# Altium PCB 2-quilter-output.PcbDoc (part 13 of 26) (continued)
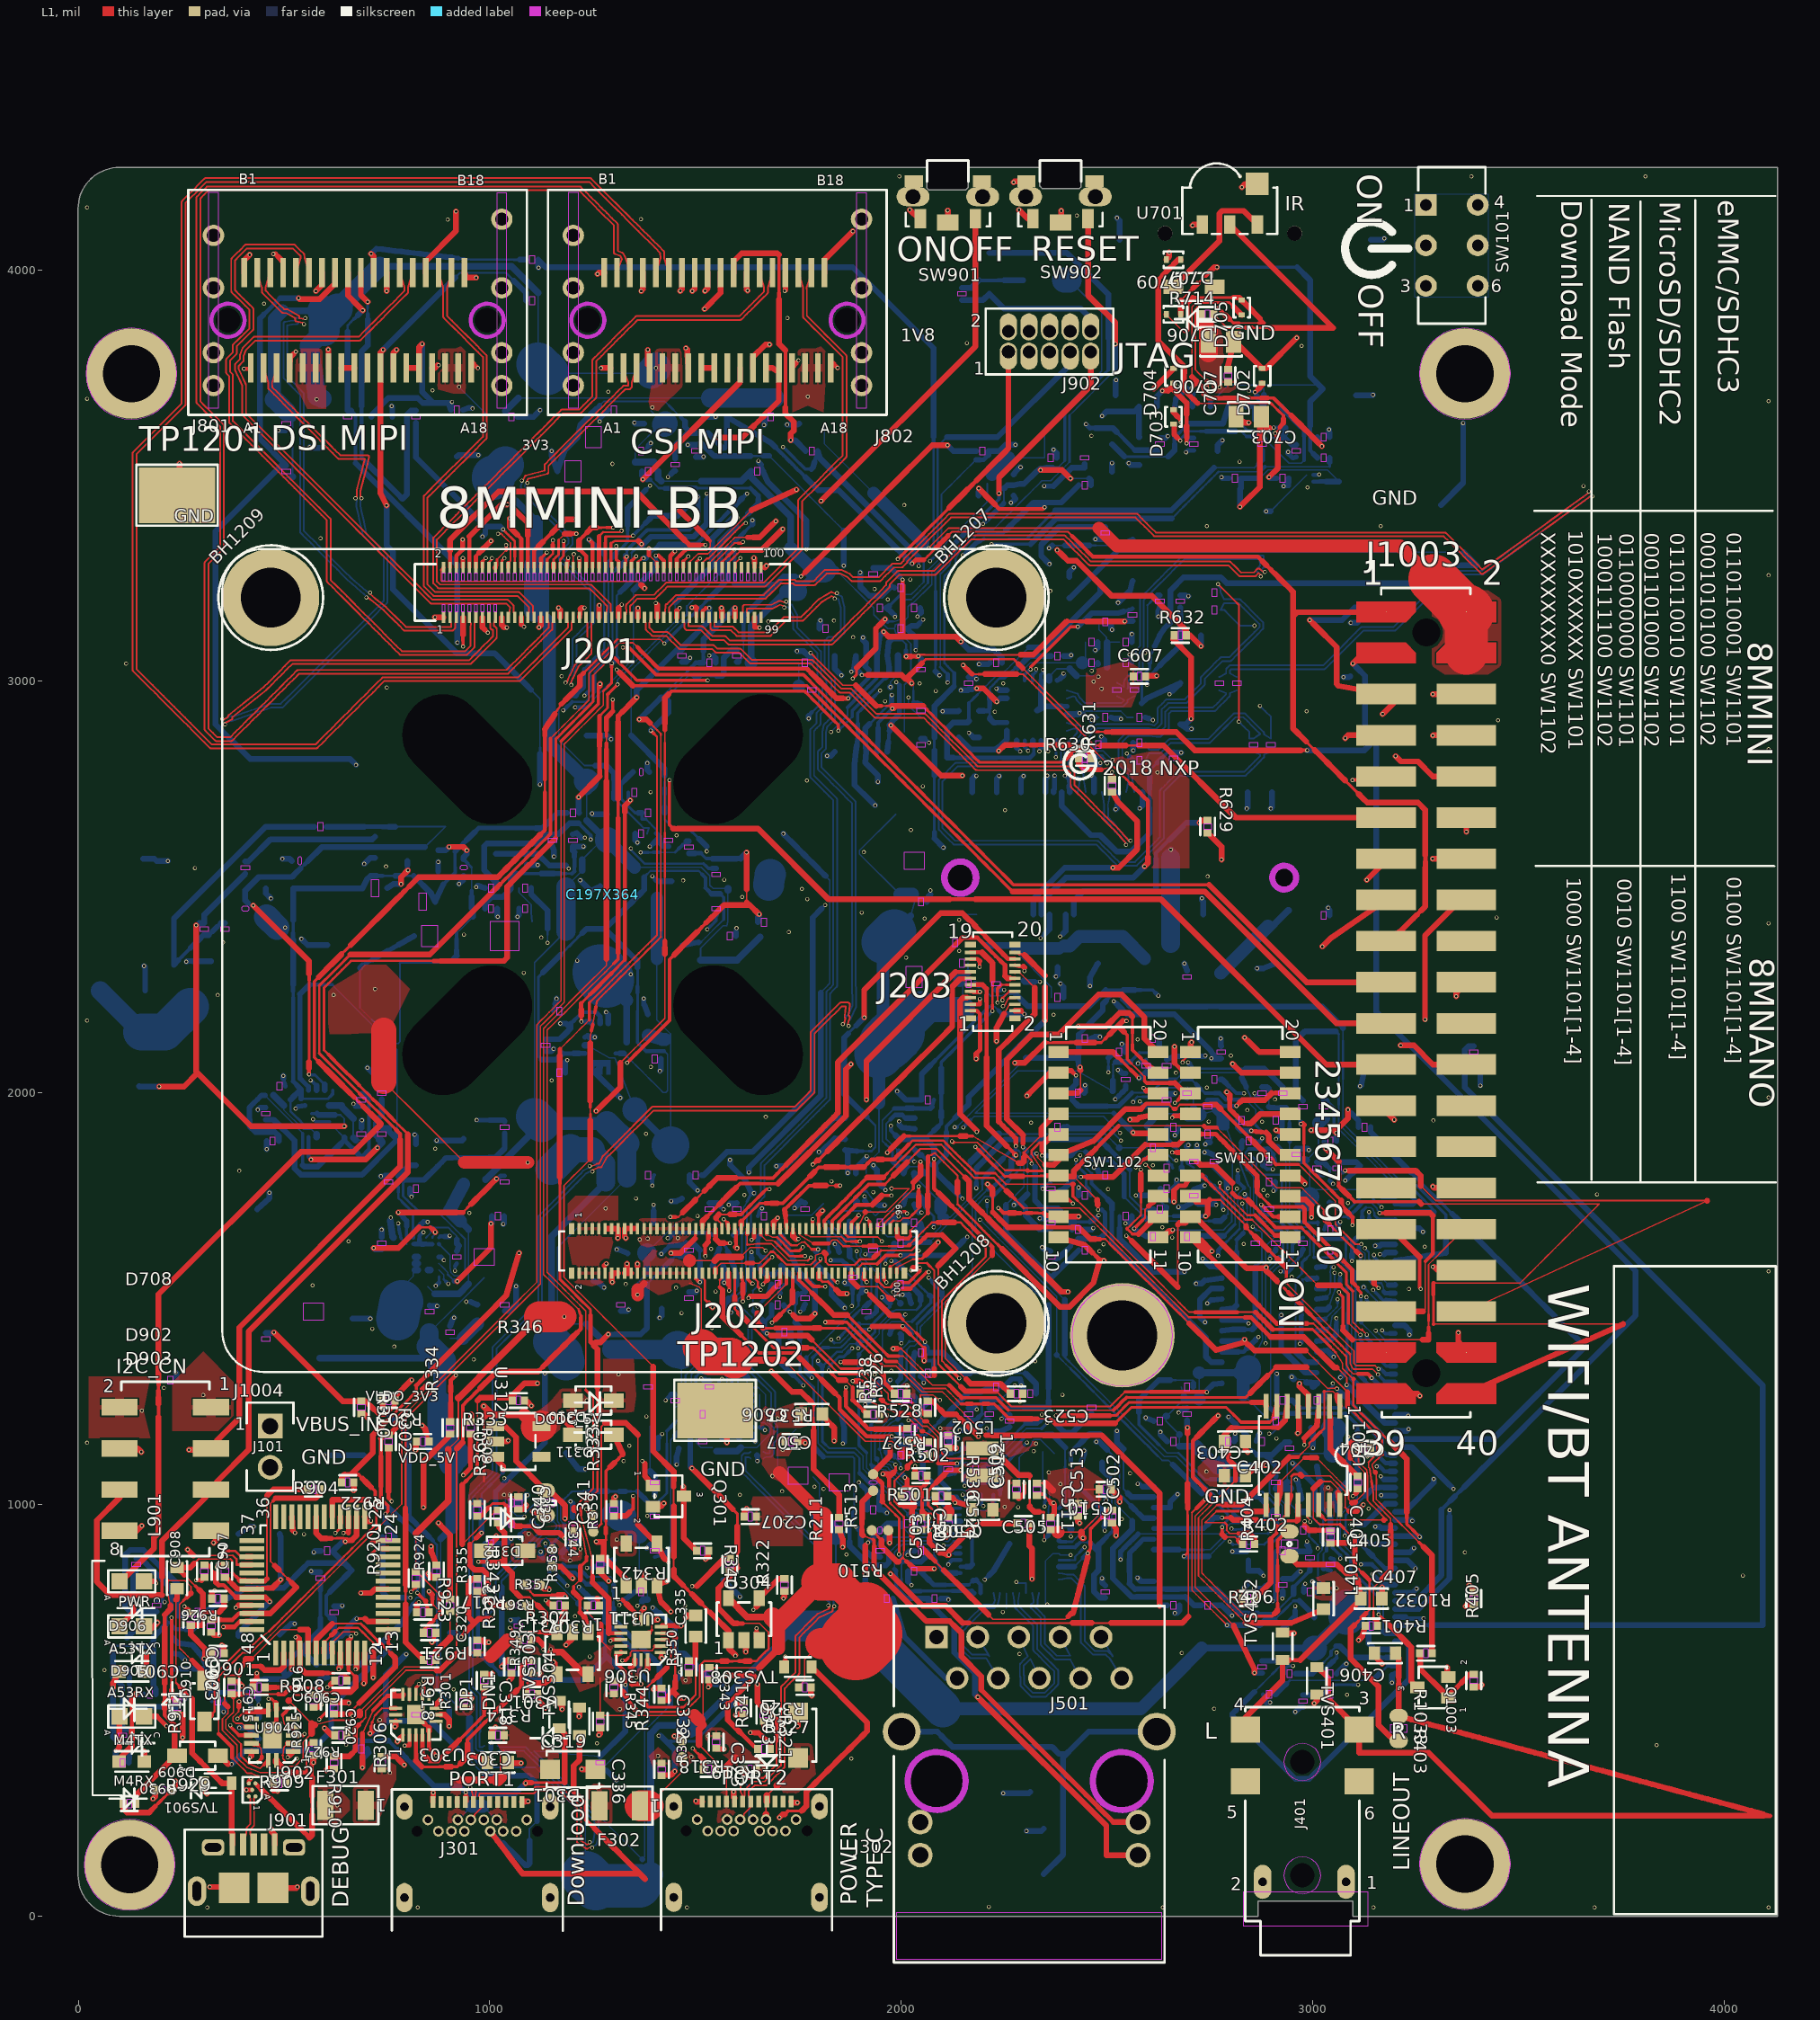
[diagram p0: L1 view]
## Nets (pads, with @x,y where several pads share a name; then routed paths per layer and width w, separated by ;. In a path a pad name is that pad's centre, name@x,y a point inside that pad or via, vN(x,y) a via of type N, cw(c..) or ccw(c..) an arc to the next point about the centre after c; other vN are vias at no path point) (continued)
NetC1004_2: C1004.2 Q1001.1 R1029.2 R1031.1 | length 2057.1
  L1 w3.5: 2706.73,979.71 2706.73,964.04 2706.73,948.38 2706.73,932.71 2706.73,917.05 2706.73,901.38 2706.73,885.71 2706.73,870.05 2706.73,854.38 2706.73,838.71 2706.73,823.05 2706.73,807.38 2706.73,791.72 2717.41,781.04 2728.08,770.36 2738.76,759.68 2749.44,749 2760.12,738.32 2770.8,727.65 2781.48,716.97 v1(2792.15,706.29)
  L1 w4.85: 2706.73,979.71 2717.67,990.65
  L1 w9.96: 2717.67,990.65 2728.61,1001.6 v1(2739.56,1012.54)
  L6 w4.85: 2829.46,1822.45 2829.46,1837.09 2829.46,1851.73 ; 2829.46,1954.23 2829.46,1968.87
  L6 w5.87: 2829.46,1939.59 2829.46,1954.23
  L6 w8.94: 2700.58,1539.51 2711.28,1550.21 ; 2754.09,1593.02 2764.8,1603.73 v1(2770.57,1603.73) ; 2829.46,1968.87 2839.43,1978.85
  L6 w9.96: 2829.46,1851.73 2829.46,1866.37
  L6 w10.99: 2711.28,1550.21 2721.99,1560.92 ; v1(2818.93,1811.92) 2829.46,1822.45
  L6 w14.05: 2700.58,1539.51 2700.58,1351.18 2789.83,1261.92 2789.83,1217.55 ; 2721.99,1560.92 2732.69,1571.62 2743.39,1582.32 2754.09,1593.02 ; v1(2739.56,1012.54) 2785.79,1058.77 2785.79,1195.62 2788.79,1213.49 2789.84,1217.52 2795.52,1211.84 v1(2795.99,1211.84) ; 2829.46,1866.37 2829.46,1881.02 2829.46,1895.66 2829.46,1910.3 2829.46,1924.94 2829.46,1939.59 ; 2839.43,1978.85 2849.41,1988.82 v1(2859.38,1998.8)
  L8 w3.5: 2819.02,1741.16 2817.2,1731.26 2822.72,1722.32 2822.72,1709.06 2822.72,1695.8 2822.72,1682.54 2822.72,1669.28 ; 2820.85,1755.37 2827.51,1762.03 2833.96,1768.48
  L8 w3.83: 2820.85,1751.06 2820.85,1755.37 ; 2840.2,1145.52 2850.01,1135.71 2857.5,1128.22
  L8 w4.85: 2819.02,1741.16 2820.85,1751.06 ; 2907.83,719.2 2917.07,728.44 2926.3,737.67 ; 2944.76,756.13 2954,765.37
  L8 w5.87: 2791.43,1637.99 2801.86,1648.42 2812.29,1658.85 2822.72,1669.28
  L8 w6.9: 2781,1627.56 2791.43,1637.99 ; 2926.3,737.67 2935.53,746.9 2944.76,756.13 ; 2954,765.37 2968.22,765.37
  L8 w7.92: 2818.93,1798.08 v1(2818.93,1811.92)
  L8 w8.94: 2818.93,1784.25 2826.56,1776.63 2833.96,1769.22 ; 2861.91,1989.26 R1031.1@2869.83,1986.88
  L8 w9.96: 2833.96,1768.48 2833.96,1769.22 ; 2857.5,1128.22 2864.99,1120.73 ; v1(2859.38,1998.8) 2861.91,1996.26 2861.91,1989.26
  L8 w10.99: v1(2770.57,1603.73) 2770.57,1617.12 2781,1627.56 ; 2814.6,1193.23 2823.91,1183.92 2833.22,1174.61 ; R1031.1@2869.83,1986.88 R1031.1@2877.76,1984.51
  L8 w12.01: 2818.93,1784.25 2818.93,1798.08
  L8 w13.03: 2922.68,1140.76 2932.69,1150.77
  L8 w14.05: v1(2792.15,706.29) 2809.95,706.29 2872.46,706.29 2885.37,719.2 2907.83,719.2 ; v1(2795.99,1211.84) 2805.3,1202.53 2814.6,1193.23 ; 2833.22,1174.61 2840.2,1167.63 2840.2,1145.52 ; 2864.99,1120.73 2876.15,1120.73 ; R1029.2@2910.92,1067.75 2910.91,1094.39 2884.56,1120.73 2876.15,1120.73 ; 2922.68,1140.76 2912.67,1130.74 2902.66,1120.73 2890.11,1120.73 2876.15,1120.73 ; 2932.69,1150.77 C1004.2@2944.1,1150.76 ; 2968.22,765.37 3004.19,729.4 Q1001.1@3004.21,725.15
NetD311_A: D311.A Q301.1 R346.1 R360.2 | length 1230.2
  L1 w3.5: 933.66,902.77 943.33,912.44 953.4,922.51 963.47,932.58 973.54,942.66 983.62,952.73 993.69,962.8 1003.76,972.87 R360.2@1013.83,982.94
  L1 w3.83: 970.16,1160.36 970.16,1175.62 970.16,1190.87 970.16,1206.13 970.16,1221.39 970.16,1236.64 970.16,1251.89
  L1 w4.85: 970.16,1145.11 970.16,1160.36
  L1 w7.92: 942.47,1056.39 951.7,1065.62 960.93,1074.85 970.16,1084.08 ; 970.16,1099.34 970.16,1114.59 970.16,1129.85 970.16,1145.11 ; v1(1370.83,1104.95) 1377.24,1098.54
  L1 w8.94: 970.16,1084.08 970.16,1099.34 ; 1176.09,1208.97 v1(1176.09,1222.77)
  L1 w9.96: 933.65,1047.57 942.47,1056.39
  L1 w12.01: R360.2@1013.83,982.94 R360.2@1019.83,984.74
  L1 w14.05: 933.65,902.78 933.65,1047.57 ; 970.16,1251.89 977.11,1258.84 1048.18,1258.84 R346.1@1054.83,1252.21 1054.82,1264.33 1084.42,1293.92 1101.32,1293.92 v1(1116.11,1293.92) ; 1176.09,1208.97 1200.85,1184.21 D311.A@1202.07,1169.2 ; 1377.25,1098.54 1377.25,1069.22 Q301.1@1397.07,1045.29
  L3 w8.94: 1293.6,1027.72 1304.36,1038.48 1315.44,1049.56 1326.52,1060.64 ; 1359.76,1093.87 v1(1370.83,1104.95)
  L3 w9.96: 1292.35,1027.72 1293.6,1027.72
  L3 w12.01: 1289.04,1031.03 1292.35,1027.72
  L3 w13.03: 1282.24,1042.9 1289.04,1031.03
  L3 w14.05: v1(1116.11,1293.92) 1177.37,1232.66 v1@1177.37,1226.09 ; v1(1176.09,1222.77) 1177.38,1224.06 1177.38,1226.08 1184.87,1213 1192.36,1199.92 1199.85,1186.83 1207.34,1173.75 1214.83,1160.66 1222.32,1147.58 1229.81,1134.49 1237.3,1121.41 1244.79,1108.32 1252.28,1095.24 1259.77,1082.15 1267.26,1069.07 1274.75,1055.99 1282.24,1042.9 ; 1326.52,1060.64 1337.6,1071.71 1348.68,1082.79 1359.76,1093.87
NetD601_C: D601.C J601.55 R627.2 | length 827.9
  L3 w3.83: v1(2373.38,2770.54) 2384.12,2781.27 2394.85,2792.01 2405.59,2802.74 2416.32,2813.47 2427.05,2824.21 2437.79,2834.94 2448.52,2845.68 2459.25,2856.41
  L3 w4.85: 2459.25,2856.41 2465.76,2856.41
  L3 w13.03: 2593.97,2889.87 2609.02,2889.87 2624.08,2889.87
  L3 w14.05: 2465.76,2856.41 2481.34,2864.47 ; v1(2486.96,2865.37) 2486.07,2864.47 2481.34,2864.47 ; v1(2527.46,3191.07) 2669.1,3049.43 2669.1,2904.78 2654.19,2889.87 2639.13,2889.87 2624.08,2889.87 ; 2593.97,2889.87 2578.92,2889.87 2563.87,2889.87 2548.81,2889.87 2533.76,2889.87 2518.71,2889.87 2492.05,2872.05 2481.34,2864.47
  L8 w12.01: J601.55@2370.3,2735.18 2373.38,2738.27 2373.38,2749.03 2373.38,2759.78 v1(2373.38,2770.54)
  L8 w13.03: v1@2486.96,2864.77 2494.39,2857.34
  L8 w14.05: J601.55@2370.31,2730.52 J601.55@2370.3,2735.18 ; v1@2486.96,2864.77 v1(2486.96,2865.37) ; R627.2@2494.39,2845.94 2494.39,2857.34 ; v1(2527.46,3191.07) 2556.79,3220.39 D601.C@2562.56,3244.2
NetD602_A: D602.A D603.A Q604.1 R623.2 | length 3512.4
  L6 w13.03: 2639.5,2582.82 2639.5,2597.93
  L6 w14.05: v1(2625.21,2236.12) 2639.5,2250.41 2639.5,2265.52 2639.5,2280.63 2639.5,2295.73 2639.5,2310.84 2639.5,2325.95 2639.5,2341.06 2639.5,2356.17 2639.5,2371.28 2639.5,2386.39 2639.5,2401.5 2639.5,2416.61 2639.5,2431.72 2639.5,2446.83 2639.5,2461.94 2639.5,2477.05 2639.5,2492.16 2639.5,2507.27 2639.5,2522.38 2639.5,2537.49 2639.5,2552.6 2639.5,2567.71 2639.5,2582.82 ; 2639.5,2597.93 2652.72,2611.15 v1(2652.72,2968.83)
  L8 w3.5: 2217.43,2235.3 2230.47,2235.3 2243.51,2235.3 2254.6,2239.51 2265.69,2243.73 ; 2522.31,3313.9 2537.97,3313.9 2553.63,3313.9 2569.3,3313.9 2584.96,3313.9 2600.62,3313.9 2616.28,3313.9 2631.94,3313.9 2647.6,3313.9 2663.26,3313.9 2678.93,3313.9 2694.59,3313.9 2710.25,3313.9 2725.91,3313.9 2741.57,3313.9 2757.23,3313.9 2772.89,3313.9 2788.56,3313.9 2804.22,3313.9 2819.88,3313.9 2835.54,3313.9 2851.2,3313.9 2866.86,3313.9 2882.52,3313.9 2898.19,3313.9 2913.85,3313.9 2929.51,3313.9 2945.17,3313.9 2960.83,3313.9 2976.49,3313.9 2992.16,3313.9 3007.82,3313.9 3023.48,3313.9 3039.14,3313.9 3054.8,3313.9 3070.46,3313.9 3086.12,3313.9 3101.79,3313.9 3117.45,3313.9 3133.11,3313.9 3148.77,3313.9 3164.43,3313.9 3180.09,3313.9 3195.75,3313.9 3211.42,3313.9 3227.08,3313.9 3242.74,3313.9 3258.4,3313.9 3274.06,3313.9 3289.72,3313.9 3305.38,3313.9 3321.05,3313.9 3336.71,3313.9 3352.37,3313.9 3368.02,3313.9
  L8 w3.83: 2191.21,2261.51 2199.95,2252.77 2208.69,2244.04 2217.43,2235.3
  L8 w6.9: 2585.08,2949.41 2585.08,2965.01 2585.08,2980.6 2585.08,2996.2 2585.08,3011.79 2594.76,3021.47 2604.45,3031.16 ; 2604.45,3058.58 2610.51,3071.84 2616.57,3085.09
  L8 w7.92: 2497.34,2249.89 2511.61,2249.89 2525.87,2249.89 2540.13,2249.89 ; 2582.92,2249.89 2597.18,2249.89 2611.44,2249.89 2618.33,2243 ; 2604.45,3031.16 2604.45,3044.87
  L8 w8.94: 2568.66,2249.89 2582.92,2249.89
  L8 w9.96: 2585.08,2946.69 2585.08,2949.41
  L8 w10.99: 2604.45,3044.87 2604.45,3058.58 ; 2618.33,2243 v1(2625.21,2236.12) ; v1(2652.72,2968.83) D602.A@2661.23,2977.33
  L8 w14.05: R623.2@2179.2,2264.9 2188.39,2261.51 2191.21,2261.51 ; 2265.69,2243.73 2274.47,2243.73 2307.95,2210.25 2457.7,2210.25 2497.34,2249.89 ; Q604.1@2408.97,3202.29 2410.72,3202.31 2522.31,3313.9 ; 2540.13,2249.89 2554.39,2249.89 2568.66,2249.89 ; 2585.09,2946.69 2596.34,2957.94 D602.A@2678.68,2995.57 2678.23,2994.33 2669.73,2985.83 D602.A@2661.23,2977.33 ; 2616.57,3085.09 2622.62,3098.34 D603.A@2628.68,3111.58 2640.68,3129.09 2655.18,3143.6 2655.18,3221.02 2686.54,3252.38 2777.44,3252.38 2791.71,3238.12 3284,3238.12 3327.96,3282.08 3399.82,3282.08 3368.02,3313.9
NetD702_C: D702.C J701.2 R709.2 | length 415.3
  L1 w10.99: v1(2860.61,3702.9) 2869.19,3711.47
  L1 w14.05: 2869.19,3711.47 2877.76,3720.04 D702.C@2877.76,3724.72
  L3 w3.5: v1(2648.67,3595.39) 2663.12,3595.39 2677.57,3595.39 2692.02,3595.39 2706.47,3595.39 2720.92,3595.39 2735.37,3595.39
  L3 w14.05: 2735.37,3595.39 v1(2845.49,3705.51)
  L8 w3.83: 2871.19,3707.07 2881.74,3711.26 J701.2@2881.75,3696.63
  L8 w5.87: v1(2845.49,3705.51) v1@2857.52,3703.58
  L8 w6.9: v1@2858.38,3702.83 2863.07,3696.44
  L8 w7.92: v1@2857.52,3703.58 v1@2858.38,3702.83
  L8 w10.99: v1@2647.2,3595.39 v1(2648.67,3595.39) ; v1(2860.61,3702.9) 2871.19,3707.07
  L8 w12.01: 2863.07,3696.44 J701.2@2867.76,3690.06
  L8 w14.05: R709.2@2628.92,3591.19 2643.01,3591.2 v1@2647.2,3595.39 ; J701.2@2867.76,3690.06 2881.75,3667.38 2881.75,3682.01 J701.2@2881.75,3696.63
NetD703_C: D703.C J701.1 R708.2 | length 547.8
  L1 w9.96: 2671.49,3592.13 v1(2679.04,3584.58)
  L1 w13.03: D703.C@2662.09,3625.11 2663.94,3625.1 2663.94,3612.39 2663.94,3599.69 2671.49,3592.13
  L8 w3.5: R708.2@2883.71,3589.42 2893.64,3579.48 2903.58,3569.54 2913.52,3559.6 2923.45,3549.67 2933.39,3539.73 2943.33,3529.79 2954.41,3529.79 2965.49,3529.79 2972.64,3529.79 2979.64,3536.8
  L8 w5.87: 2698.08,3607.56 2712.42,3607.56 2726.76,3607.56 ; 2812.8,3607.56 2827.14,3607.56 2833.35,3601.35 2839.56,3595.14
  L8 w6.9: v1(2679.04,3584.58) 2679.04,3588.52 2688.56,3598.04 2698.08,3607.56
  L8 w7.92: 2726.76,3607.56 2741.1,3607.56
  L8 w8.94: 2839.56,3595.14 2852.1,3595.14 ; 2979.64,3536.8 2979.64,3548.44 2979.64,3564.02 2979.64,3579.6 2979.64,3595.19
  L8 w9.96: 2971.19,3619.21 2979.64,3610.77 2979.64,3595.19
  L8 w10.99: 2852.1,3595.14 2864.63,3595.14
  L8 w12.01: R708.2@2877.76,3591.2 R708.2@2883.71,3589.42
  L8 w13.03: 2741.1,3607.56 2755.44,3607.56 2769.78,3607.56 2784.12,3607.56 2798.46,3607.56
  L8 w14.05: 2798.46,3607.56 2812.8,3607.56 ; 2864.63,3595.14 R708.2@2877.76,3591.2 ; J701.1@2925.04,3667.38 2925.04,3665.36 2934.47,3655.94 2943.89,3646.51 2953.32,3637.09 2962.75,3627.66 2971.19,3619.21
NetD704_C: D704.C J701.8 R707.2 | length 259.6
  L1 w8.94: v1(2694.13,3578) 2694.13,3592.12 ; 2694.13,3620.34 2694.13,3634.46 2694.13,3648.57
  L1 w13.03: v1(2635.13,3705.94) 2649.25,3705.94 ; 2672.56,3698.36 2683.35,3687.58 2694.13,3676.8 2694.13,3662.69 ; 2694.13,3592.12 2694.13,3606.23
  L1 w14.05: 2649.25,3705.94 2652.87,3709.56 2657.73,3713.93 ; D704.C@2662.09,3724.72 2662.09,3718.29 2657.73,3713.93 ; 2672.56,3698.36 2661.78,3709.15 2657.73,3713.93 ; 2694.13,3606.23 2694.13,3620.34 ; 2694.13,3648.57 2694.13,3662.69
  L8 w10.99: v1(2694.13,3578) 2694.13,3583.44 2701.89,3591.2 R707.2@2711.86,3591.19
  L8 w14.05: J701.8@2621.89,3667.38 2621.89,3692.7 v1(2635.13,3705.94)
NetD705_C: D705.C J701.7 R705.2 | length 816.2
  L1 w3.5: 2707.23,3739.6 2707.23,3755.06 2707.23,3770.52 2707.23,3785.98 2707.23,3801.44 2707.23,3816.9 2707.23,3832.36 2707.23,3847.83 2707.23,3863.29 2707.23,3878.75 2707.23,3894.21 2707.23,3909.67 2717.93,3920.37
  L1 w3.83: 2729.52,3720.18 2732.76,3709.48 2736,3698.78
  L1 w5.87: 2717.93,3920.37 2731.33,3920.37 2744.73,3920.37 2758.13,3920.37 2771.54,3920.37 2784.94,3920.37
  L1 w6.9: 2784.94,3920.37 2798.34,3920.37 2808.22,3910.49
  L1 w7.92: 2715.36,3721.36 2722.91,3721.36 ; 2845.33,3688.08 2860.49,3688.08 2875.64,3688.08 ; 2890.8,3688.08 2905.96,3688.08 ; 2937.83,3656.21 2948.45,3645.58
  L1 w8.94: v1(2706.27,3712.27) 2715.36,3721.36 ; 2722.91,3723.92 2722.91,3721.36 2728.34,3721.36 ; 2905.96,3688.08 2916.58,3677.46 2927.2,3666.83 2937.83,3656.21
  L1 w9.96: 2728.34,3721.36 2729.52,3720.18
  L1 w10.99: 2754.4,3688.08 2769.56,3688.08 2784.71,3688.08
  L1 w12.01: 2736,3698.78 2746.7,3688.08 2754.4,3688.08 ; 2784.71,3688.08 2799.87,3688.08 2815.02,3688.08 2830.18,3688.08 2845.33,3688.08 ; 2875.64,3688.08 2890.8,3688.08
  L1 w14.05: 2707.23,3739.6 2722.91,3723.92 ; 2808.22,3910.49 2818.09,3900.61 D705.C@2827.98,3890.74 ; 2948.45,3645.58 2959.08,3634.96 2969.7,3624.34 2980.32,3613.71 2990.95,3603.09 3001.57,3592.46 3012.2,3581.84 v1(3022.82,3571.22)
  L8 w8.94: 2693.71,3712.27 v1(2706.27,3712.27)
  L8 w12.01: 3012.28,3581.75 v1(3022.82,3571.22)
  L8 w14.05: J701.7@2665.2,3667.38 2668.28,3686.83 2693.71,3712.27 ; 3012.28,3581.75 R705.2@3012.28,3593.03
NetD706_C: D706.C J701.5 R704.2 | length 1162.8
  L1 w3.5: 2730.67,3976.06 2740.84,3986.23
  L1 w3.83: 2679.82,3925.21 2689.99,3935.38 2700.16,3945.55
  L1 w4.85: 2720.5,3965.89 2730.67,3976.06
  L1 w7.92: 2700.16,3945.55 2710.33,3955.72
  L1 w12.01: 2740.84,3986.23 2751.01,3996.4
  L1 w14.05: D706.C@2679.81,3891.86 2679.82,3925.21 ; 2710.33,3955.72 2720.5,3965.89 ; 2751.01,3996.4 2761.18,4006.57 v1(2767.84,4006.57)
  L8 w3.5: J701.5@2751.82,3675.84 2760.67,3684.7 2769.52,3693.55 2778.38,3702.41 2787.1,3711.13 2795.83,3719.86 2811.56,3719.86 2827.28,3719.86 2843.01,3719.86 2858.74,3719.86 2874.47,3719.86 2890.19,3719.86 2905.92,3719.86 2921.65,3719.86 2937.38,3719.86 2953.1,3719.86 2968.83,3719.86 2984.56,3719.86 3000.28,3719.86 3016.01,3719.86
  L8 w7.92: v1(2767.84,4006.57) 2768.09,4006.32 2783.06,4006.32 2798.04,4006.32 2813.02,4006.32 2827.99,4006.32 2842.97,4006.32 2857.94,4006.32 2872.92,4006.32 2887.9,4006.32 2902.87,4006.32 2917.85,4006.32 2932.83,4006.32 2947.8,4006.32 2962.78,4006.32
  L8 w8.94: 2994.38,3576.02 2994.38,3590.89 2994.38,3605.76 2994.38,3620.64
  L8 w9.96: 2994.38,3576.02 2994.38,3561.14 R704.2@3003.33,3552.19
  L8 w14.05: J701.5@2751.81,3667.38 J701.5@2751.82,3675.84 ; 2962.78,4006.32 2994.05,3975.05 2994.05,3741.82 3025.05,3710.82 ; 2994.38,3620.64 2994.38,3635.51 2994.38,3650.39 2994.38,3665.26 2994.38,3680.13 3011.58,3697.34 3025.05,3710.81 ; R704.2@3003.33,3552.19 R704.2@3012.28,3543.22 ; 3016.01,3719.86 3025.05,3710.81
NetD707_C: D707.C J701.3 R702.2 | length 943.1
  L1 w3.5: 2720.72,3675.39 2735.61,3675.39 2750.5,3675.39 2765.39,3675.39 2780.28,3675.39 2795.17,3675.39 2810.06,3675.39 2824.95,3675.39 2839.84,3675.39 2854.73,3675.39 2869.62,3675.39 2884.51,3675.39 2899.4,3675.39
  L1 w3.83: 2913.27,3607.04 2921.09,3617.38
  L1 w4.85: 2913.27,3606.66 2913.27,3607.04 2914.92,3604.29
  L1 w5.87: v1(2909.45,3602.84) 2913.27,3606.66
  L1 w6.9: 2899.4,3675.39 2908.73,3666.06 2918.06,3656.73 2927.39,3647.41 2929.4,3645.39
  L1 w7.92: 2929.4,3636.89 2929.4,3645.39
  L1 w9.96: 2625.03,3976.21 2634.73,3985.9
  L1 w10.99: 2914.92,3604.29 2915.56,3603.28 ; 2921.09,3617.38 2928.9,3627.73
  L1 w12.01: 2634.73,3985.9 2644.42,3995.59 ; 2654.11,4005.28 2663.8,4014.97 ; 2688.91,3749.45 2688.91,3735.37 2688.91,3721.28 2688.91,3707.2 2699.51,3696.59 2710.12,3685.99
  L1 w13.03: 2710.12,3685.99 2720.72,3675.39
  L1 w14.05: 2625.03,3976.21 2625.03,3827.42 2688.91,3763.54 2688.91,3749.45 ; 2644.42,3995.59 2654.11,4005.28 ; 2663.8,4014.97 2673.49,4024.67 D707.C@2679.81,4024.67 ; v1(2894.27,3496.13) 2915.72,3517.58 2915.72,3585.25 2914.92,3602.29 2915.56,3603.28 ; 2928.9,3627.73 2929.4,3628.39 2929.4,3636.89
  L8 w3.5: 2884.05,3623.58 2894.42,3613.21 2904.79,3602.85 v1(2909.45,3602.84)
  L8 w8.94: 2858.35,3634.69 2869.46,3623.58
  L8 w9.96: J701.3@2848.4,3667.38 2858.35,3667.38 2858.35,3656.39 2858.35,3645.4 2858.35,3634.69
  L8 w14.05: J701.3@2838.43,3667.38 J701.3@2848.4,3667.38 ; 2869.46,3623.58 2884.05,3623.58 ; v1(2894.27,3496.13) 2896.98,3493.43 R702.2@2912.75,3493.42
NetD708_A: D708.A R713.2 | length 4486.3
  L1 w3.5: 1310.21,3102.14 1325.1,3102.14 1339.99,3102.14 1354.88,3102.14 1369.77,3102.14 1384.67,3102.14 1399.56,3102.14 1414.45,3102.14 v1(1424.45,3092.14)
  L1 w4.85: 1134.19,2745.81 1134.19,2761.12 ; 1166.07,2932.27 1174.03,2944.43
  L1 w5.87: 1134.19,2730.5 1134.19,2745.81 ; 1158.11,2920.11 1166.07,2932.27 ; 1228.53,3020.46 1237.64,3029.57 1248,3039.94 1258.37,3050.31 1268.74,3060.67 1279.11,3071.04 1289.47,3081.41 1299.84,3091.78 1310.21,3102.14
  L1 w6.9: 584.61,2075.18 573.8,2085.99 573.8,2101.38 573.8,2116.77 573.8,2132.16 573.8,2147.55 573.8,2162.94 573.8,2178.34 573.8,2193.73 573.8,2209.12 573.8,2224.51 573.8,2239.9 573.8,2255.29 573.8,2270.68 584.83,2281.71 ; 639.96,2336.84 650.99,2347.87 662.01,2358.9 ; 671.09,1988.7 681.9,1977.89
  L1 w7.92: 194.91,1275.01 194.91,1290.7
  L1 w8.94: 194.91,1212.24 194.91,1227.93 194.91,1243.63 ; 681.9,1977.89 692.7,1967.08 ; 1123.8,2628.24 1134.19,2638.64 1134.19,2653.95 1134.19,2669.26 1134.19,2684.57 1134.19,2699.88 1134.19,2715.19 1134.19,2730.5 ; 1134.19,2761.12 1134.19,2776.43 1134.19,2791.74 1134.19,2807.05 1134.19,2822.36 1134.19,2837.67 1134.19,2852.98 1134.19,2868.29
  L1 w10.99: 194.91,1290.7 194.91,1306.39 ; 794.33,2491.22 805.36,2502.24 ; 1219.41,3011.35 1228.53,3020.46
  L1 w12.01: 194.91,1259.32 194.91,1275.01 ; 660.28,1999.51 671.09,1988.7 ; 783.31,2480.19 794.33,2491.22 ; 1134.19,2868.29 1134.19,2883.6 ; 1174.03,2944.43 1184.68,2955.08
  L1 w13.03: 1205.97,2976.38 1216.62,2987.03
  L1 w14.05: D708.A@100.11,812.85 103.93,812.83 184.28,893.18 184.28,919.18 194.91,929.82 194.91,945.51 194.91,961.2 194.91,976.89 194.91,992.58 194.91,1008.27 194.91,1023.96 194.91,1039.65 194.91,1055.34 194.91,1071.03 194.91,1086.72 194.91,1102.41 194.91,1118.1 194.91,1133.79 194.91,1149.48 194.91,1165.17 194.91,1180.86 194.91,1196.55 194.91,1212.24 ; 194.91,1243.63 194.91,1259.32 ; 194.91,1306.39 194.91,1322.08 194.91,1337.77 194.91,1353.46 194.91,1369.15 194.91,1384.84 194.91,1400.53 194.91,1416.22 194.91,1431.91 194.91,1447.6 194.91,1463.29 194.91,1478.98 194.91,1494.67 194.91,1510.36 541.41,1856.87 668.98,1856.87 735.95,1923.84 725.13,1934.65 714.32,1945.46 703.51,1956.27 692.7,1967.08 ; 584.61,2075.18 595.42,2064.37 606.23,2053.56 617.04,2042.75 627.85,2031.94 638.66,2021.13 649.47,2010.32 660.28,1999.51 ; 584.83,2281.71 595.85,2292.74 606.88,2303.76 617.91,2314.79 628.93,2325.82 639.96,2336.84 ; 662.01,2358.9 673.04,2369.92 684.07,2380.95 695.09,2391.98 706.12,2403 717.15,2414.03 728.17,2425.06 739.2,2436.08 750.23,2447.11 761.25,2458.14 772.28,2469.16 783.31,2480.19 ; 805.36,2502.24 816.39,2513.27 827.41,2524.3 1019.85,2524.3 1030.25,2534.69 1040.64,2545.09 1051.04,2555.48 1061.43,2565.87 1071.82,2576.27 1082.22,2586.66 1092.61,2597.06 1103.01,2607.45 1113.4,2617.85 1123.8,2628.24 ; 1134.23,2883.63 1142.19,2895.79 1150.15,2907.95 1158.11,2920.11 ; 1184.68,2955.08 1195.32,2965.73 1205.97,2976.38 ; 1216.62,2987.03 1219.41,2989.82 1219.41,3011.35
  L3 w9.96: 2215.86,3455.02 2225.7,3464.87 2235.55,3474.72 2249.57,3474.72 2263.58,3474.72 2277.59,3474.72 2291.6,3474.72 2305.62,3474.72 2319.63,3474.72 2333.64,3474.72 v1(2347.65,3474.72)
  L3 w10.99: v1(1639.06,3391.28) 1650.86,3391.28
  L3 w14.05: 1650.86,3391.28 1662.65,3391.28 1674.45,3391.28 1690.78,3407.62 2168.44,3407.62 2173.99,3413.16 2176.46,3415.62 2186.31,3425.47 2196.16,3435.32 2206.01,3445.17 2215.86,3455.02
  L8 w4.85: 1479.74,3147.43 1490.8,3158.49
  L8 w6.9: 1579.26,3322.67 1589.23,3332.64 ; 1629.09,3372.5 1638.45,3381.86
  L8 w7.92: v1(1424.45,3092.14) 1435.51,3103.2 1446.57,3114.26 1457.62,3125.32 1468.68,3136.37 1479.74,3147.43 ; 1490.8,3158.49 1501.86,3169.55 ; 1512.91,3180.61 1523.97,3191.66 ; 1589.23,3332.64 1599.19,3342.6 ; 1619.13,3362.54 1629.09,3372.5
  L8 w8.94: 1523.97,3191.66 1535.03,3202.72
  L8 w9.96: 1501.86,3169.55 1512.91,3180.61 ; 1599.19,3342.6 1609.16,3352.57
  L8 w10.99: 1609.16,3352.57 1619.13,3362.54
  L8 w12.01: v1(2347.65,3474.72) 2359.19,3474.73 2370.71,3474.73
  L8 w13.03: 1568.2,3235.9 1579.26,3246.95 1579.26,3262.1 1579.26,3277.24 1579.26,3292.38 1579.26,3307.53 1579.26,3322.67
  L8 w14.05: 1535.03,3202.72 1546.09,3213.78 1557.15,3224.84 1568.2,3235.9 ; 1638.45,3381.87 1639.06,3382.48 v1(1639.06,3391.28) ; 2370.71,3474.73 2414.65,3518.66 2446.46,3518.66 R713.2@2446.46,3528.46
NetD709_C: D709.C U701.1 | length 333.7
  L1 w14.05: D709.C@2661.86,3958.26 2773.63,4070.01 2773.63,4136.67 2780.34,4143.38 2832.55,4143.38 U701.1@2866.01,4109.92
NetD902_A: D902.A R902.1 | length 116.6
  L1 w10.99: v1(91.05,400.59) 100.12,409.66
  L1 w14.05: 100.12,409.66 D902.A@100.11,484.53
  L8 w14.05: v1(91.05,400.59) 91.05,373.97 R902.1@92.7,372.33
NetD903_A: D903.A R903.1 | length 199.7
  L1 w9.96: 130.71,452.57 130.71,468.02 130.71,483.48 130.71,498.93 130.71,514.38
  L1 w14.05: D903.A@99.6,375.09 103.29,385.48 130.71,412.9 130.71,421.66 130.71,437.12 130.71,452.57 ; 130.71,514.38 130.71,529.84 v1(140.54,539.66)
  L8 w10.99: v1(140.54,539.66) v1@142.07,539.66
  L8 w14.05: v1@142.07,539.66 143.38,538.35 R903.1@159.05,538.34
NetD905_A: D905.A R915.1 | length 190.2
  L1 w14.05: v1(84.73,554.86) 84.74,566.01 D905.A@99.6,593.97
  L8 w14.05: v1(84.73,554.86) 84.73,434.55 95.32,423.96 R915.1@107.44,423.96
NetD906_A: D906.A R916.1 | length 151.3
  L1 w14.05: D906.A@100.11,703.41 133.48,736.8 v1(133.48,759.5)
  L8 w14.05: v1(133.48,759.5) 133.48,776.65 133.48,826.77 ; 133.49,826.78 R916.1@140.63,839.01
NetD907_C: D907.C R919.1 | length 156.7
  L8 w8.94: 2189.4,3974.37 2204.68,3974.37 2219.97,3974.37 2235.26,3974.37
  L8 w9.96: 2235.26,3974.37 2250.55,3974.37
  L8 w14.05: R919.1@2147.85,3956.42 2157.83,3956.42 2171.45,3956.42 2189.4,3974.37 ; 2250.55,3974.37 2265.83,3974.37 2281.12,3974.37 2296.41,3974.37 D907.C@2296.91,3974.86
NetD909_C: D909.C D910.C R929.1 | length 933
  L1 w3.5: 215.79,789.13 218.55,777.25 221.3,765.36 223.92,754.06 ; 218.36,814.8 231.93,814.8 245.5,814.8 259.07,814.8 266.55,807.32 274.03,799.84 274.04,784.14
  L1 w3.83: 255.15,765.26 246.36,756.47 246.36,741.32 246.36,726.17 246.36,711.02 246.36,695.87 246.36,680.72 246.36,665.58 246.36,650.43 256.39,640.4 266.41,630.38 276.44,620.35
  L1 w6.9: 215.79,789.13 215.79,800.68 215.79,812.24 218.36,814.8 ; 255.15,765.26 263.94,774.04
  L1 w9.96: 209.81,503.13 209.81,487.92 218.05,479.67 226.3,471.43 234.55,463.18 ; 209.81,518.35 209.81,533.56 209.81,548.78 209.81,563.99 ; 209.81,700.92 209.81,716.13 209.81,731.35
  L1 w10.99: 263.94,774.04 272.73,782.83
  L1 w14.05: R929.1@138.8,272.72 138.8,282.72 138.8,291.73 235.99,388.92 D909.C@239.93,388.93 234.55,394.32 234.55,463.18 ; 209.81,503.13 209.81,518.35 ; 209.81,563.99 209.81,579.21 209.81,594.42 209.81,609.63 209.81,624.85 209.81,640.06 209.81,655.28 209.81,670.49 209.81,685.7 209.81,700.92 ; 209.81,731.35 223.92,745.46 223.92,754.06 ; 272.73,782.83 274.04,784.14 ; 276.44,620.35 286.46,610.33 296.49,600.3 306.51,590.28 D910.C@306.51,571.77
NetJ501_2: J501.2 R503.2 | length 266.9
  L8 w14.05: R503.2@1980.14,770.75 2008.04,677.69 2108.28,577.44 J501.2@2136.26,577.44
NetJ601_54: J601.54
NetJ801_A8: J801.A8 J801.A9 | length 31.5
  L1 w14.05: J801.A8@639.69,3761.22 646.69,3761.22 664.17,3761.22 J801.A9@671.19,3761.22
NetJ802_A8: J802.A8 J802.A9 | length 31.5
  L1 w14.05: J802.A8@1514.26,3761.22 1521.26,3761.22 1538.78,3761.22 J802.A9@1545.76,3761.22
NetJ902_7: J902.7 R921.1 | length 3923.9
  L1 w3.5: 860.97,757.52 871.37,747.12 880.42,738.07
  L1 w5.87: R921.1@841.92,696.86 851.88,706.82
  L1 w6.9: 861.85,716.78 871.81,726.74
  L1 w8.94: 860.97,757.52 860.97,768.64
  L1 w9.96: R921.1@839.18,687.75 R921.1@841.92,696.86
  L1 w10.99: 860.97,768.64 860.97,779.76
  L1 w12.01: 851.88,706.82 861.85,716.78 ; 871.81,726.74 880.42,735.36
  L1 w13.03: v1(852.52,788.21) 860.97,779.76
  L1 w14.05: 880.42,735.36 880.42,738.07
  L3 w14.05: v1(2070.31,3292.3) 2070.31,2990.65 v1(2084.23,2976.73)
  L6 w3.5: 1995.64,2327.27 1995.64,2343 1995.64,2358.73 1995.64,2374.46 1995.64,2390.19 1995.64,2405.92 1995.64,2421.65 1995.64,2437.37 1995.64,2453.1 1995.64,2468.83 1995.64,2484.56 1995.64,2500.29 1995.64,2516.02 1995.64,2531.75 1995.64,2547.48 1995.64,2563.21 1984.55,2574.3 1973.45,2585.4 1962.35,2596.5 1951.26,2607.6 1940.16,2618.69 1929.06,2629.79 1917.97,2640.89 1917.97,2656.04 1917.97,2671.19 1917.97,2686.34 1917.97,2701.49 1917.97,2716.64 1917.97,2731.8 1917.97,2746.95 1929.05,2758.03 1940.13,2769.12 1951.22,2780.2 1962.3,2791.28 1973.39,2802.37 1984.47,2813.45 1995.56,2824.54 2006.64,2835.62 2017.73,2846.71 2028.81,2857.79 2039.89,2868.88 2050.98,2879.96 2062.06,2891.04 2073.15,2902.13 2084.23,2913.21
  L6 w4.85: 988.3,1081.5 999.37,1092.57 ; 1043.65,1136.85 1054.72,1147.92 1065.79,1158.99 ; 1331.49,1424.69 1342.56,1435.76 1353.63,1446.83 1364.7,1457.9 ; 1473.99,1617.1 1483.64,1626.75 ; 1531.89,1721.36 1531.89,1736.81
  L6 w5.87: 999.37,1092.57 1010.44,1103.64 1021.51,1114.71 1032.58,1125.78 1043.65,1136.85 ; 1065.79,1158.99 1076.86,1170.07 1087.93,1181.14 1099,1192.21 1110.08,1203.28 1121.15,1214.35 1132.22,1225.42 1143.29,1236.49 1154.36,1247.56 1165.43,1258.63 1176.5,1269.7 1187.57,1280.77 1198.64,1291.84 1209.71,1302.91 1220.78,1313.99 1231.85,1325.06 1242.92,1336.13 1254,1347.2 1265.07,1358.27 1276.14,1369.34 1287.21,1380.41 1298.28,1391.48 1309.35,1402.55 1320.42,1413.62 1331.49,1424.69 ; 1464.34,1607.45 1473.99,1617.1 ; 1522.24,1665.35 1531.89,1675 1531.89,1690.45 1531.89,1705.91 1531.89,1721.36
  L6 w7.92: 977.23,1070.43 988.3,1081.5 ; 1483.64,1626.75 1493.29,1636.4 1502.94,1646.05 1512.59,1655.7 ; 1531.89,1736.81 1542.96,1747.88 1554.02,1758.95 1565.09,1770.02 1576.16,1781.09 1587.23,1792.16 1598.3,1803.22 1609.37,1814.29 1620.44,1825.36 ; 1631.5,1836.43 1642.57,1847.5 1653.64,1858.57 1664.71,1869.63 1675.78,1880.7 1686.85,1891.77 1697.91,1902.84 1708.98,1913.91 1720.05,1924.98 1731.12,1936.05 1742.19,1947.11 1753.26,1958.18 1764.32,1969.25 1775.39,1980.32 1786.46,1991.39 1797.53,2002.46 1808.6,2013.52 1819.67,2024.59 1830.73,2035.66 1841.8,2046.73
  L6 w8.94: 966.16,917.6 966.16,933.35 966.16,949.1 966.16,964.85 966.16,980.6 966.16,996.35 966.16,1012.11 966.16,1027.86 966.16,1043.61 966.16,1059.36 977.23,1070.43 ; 1442.2,1535.4 1453.27,1546.47
  L6 w9.96: 1431.13,1524.33 1442.2,1535.4
  L6 w13.03: 1512.59,1655.7 1522.24,1665.35
  L6 w14.05: v1(852.52,788.21) 966.16,901.85 966.16,917.6 ; 1364.7,1457.9 1375.77,1468.98 1386.84,1480.05 1397.91,1491.12 1408.99,1502.19 1420.06,1513.26 1431.13,1524.33 ; 1453.27,1546.47 1464.34,1557.54 1464.34,1607.45 ; 1620.44,1825.36 1631.5,1836.43 ; 1841.8,2046.73 1841.8,2173.43 1995.64,2327.27 ; 2084.23,2913.21 v1(2084.23,2976.73)
  L8 w4.85: 2078.94,3300.93 2089.09,3311.08 2089.09,3326.37 2089.09,3341.66 2089.09,3356.95 2089.09,3372.24 2089.09,3387.52 2089.09,3402.81 2089.09,3418.1 2089.09,3433.39 2089.09,3448.68 2089.09,3463.97 2089.09,3479.25 2089.09,3494.54 2089.09,3509.83 2089.09,3525.12 2089.09,3540.41 2089.09,3555.7 2089.09,3570.99 2096.77,3578.67 2104.45,3586.34 2111.34,3593.23
  L8 w7.92: v1(2070.31,3292.3) 2078.94,3300.92
  L8 w14.05: 2111.34,3593.23 2234.46,3593.23 2410.96,3769.73 J902.7@2410.96,3790.18